# Altium PCB R3S601.PcbDoc
Units mil, origin at the board's own origin, x right, y up, seen from the top; angles counter-clockwise.
Board outline 3873.81 x 3873.81 mil, 2 copper layers (Top Layer, Bottom Layer); 56 components, 34 nets, 196 pads, 26 vias.
Unrouted connection lines stored in the file: 1.
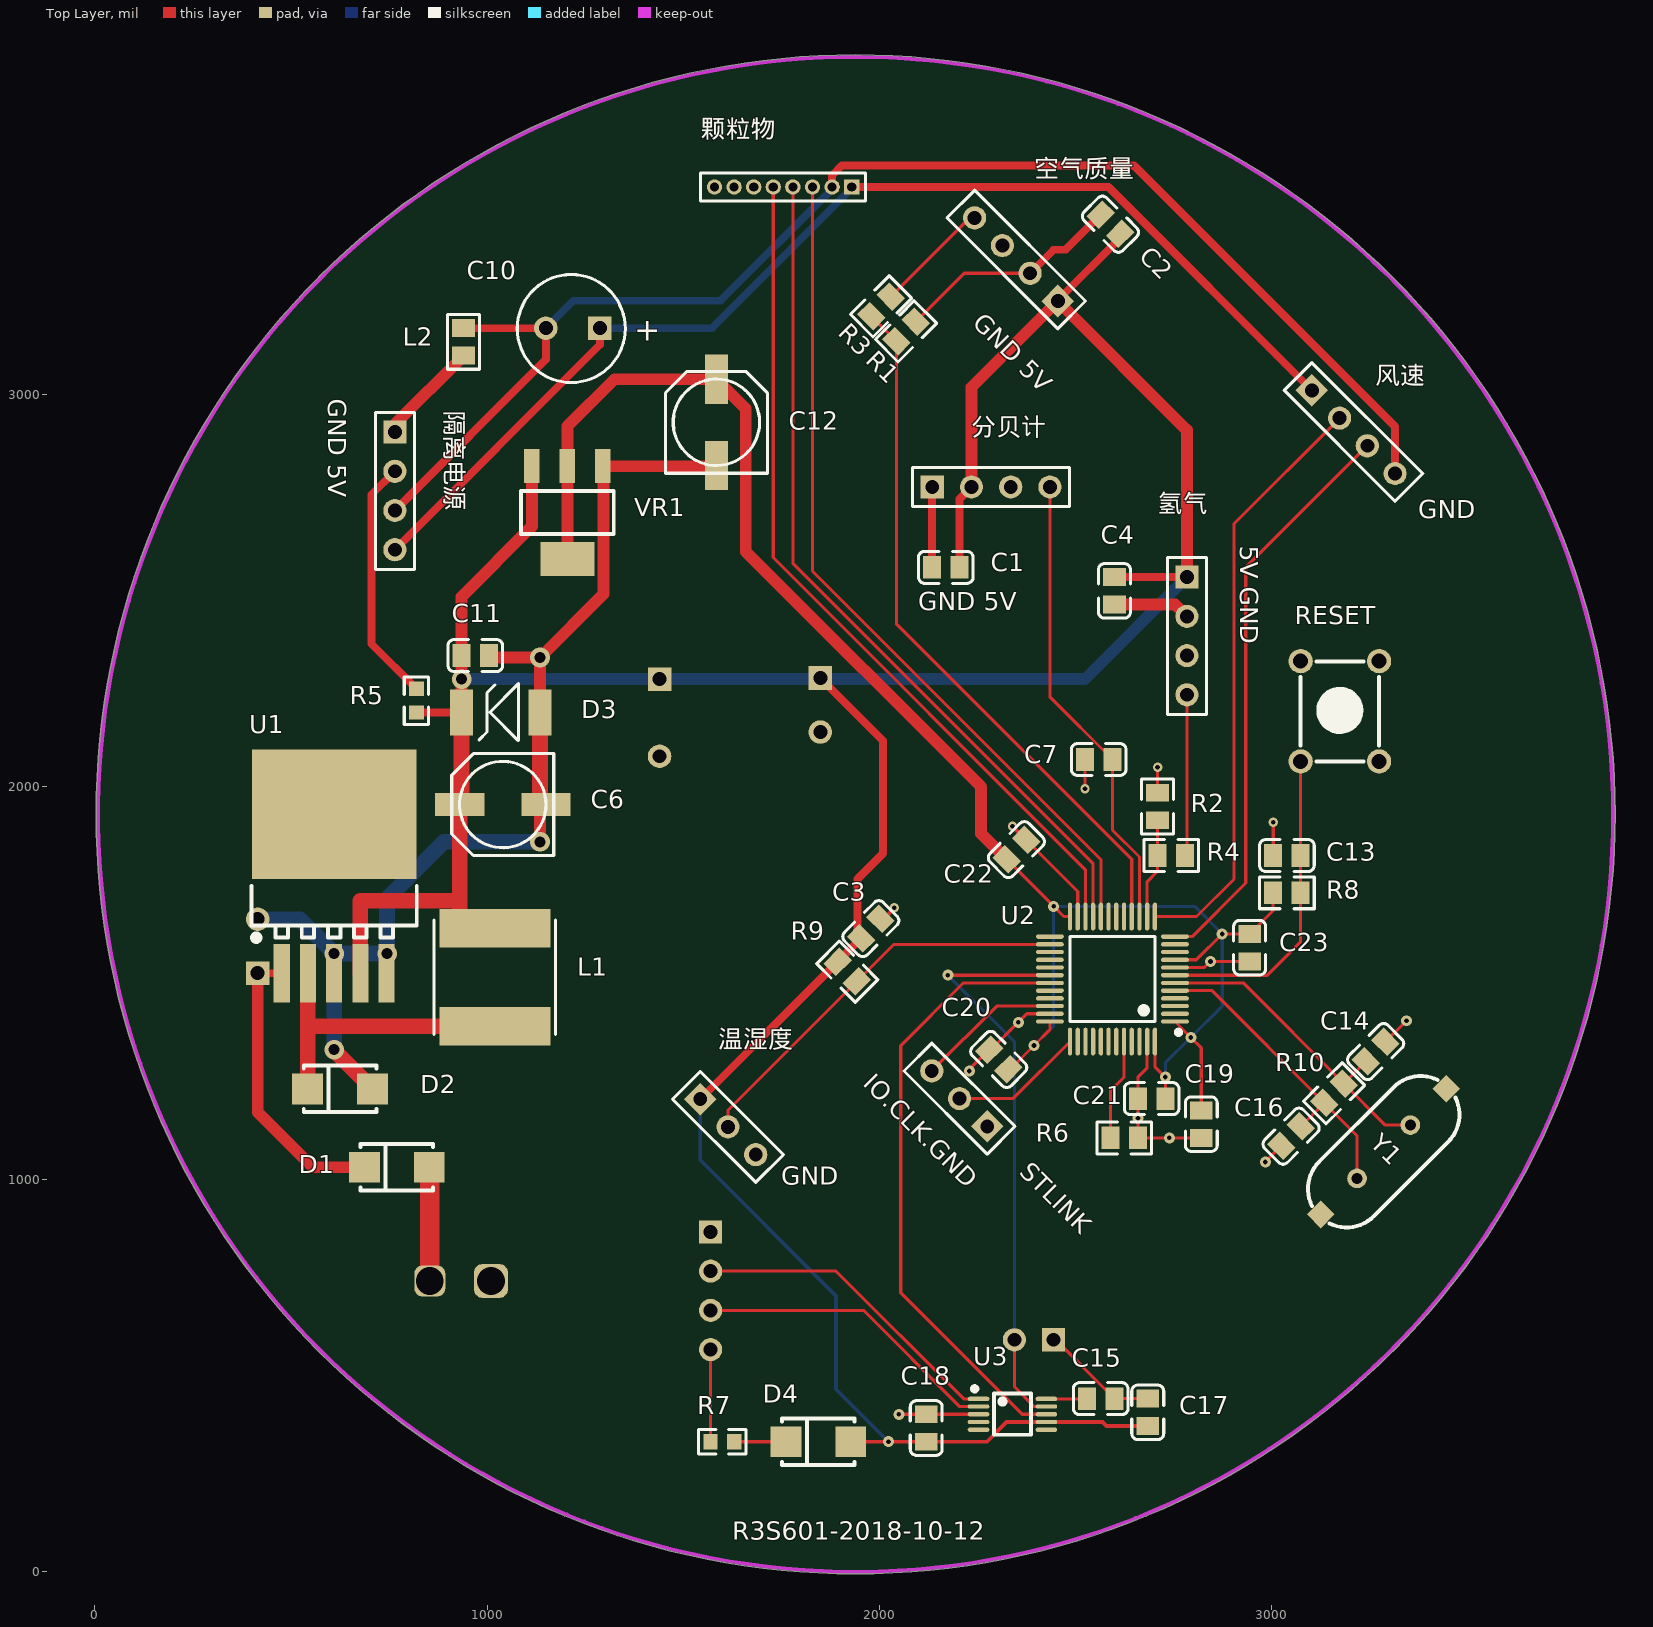
[diagram p0: Top Layer view]
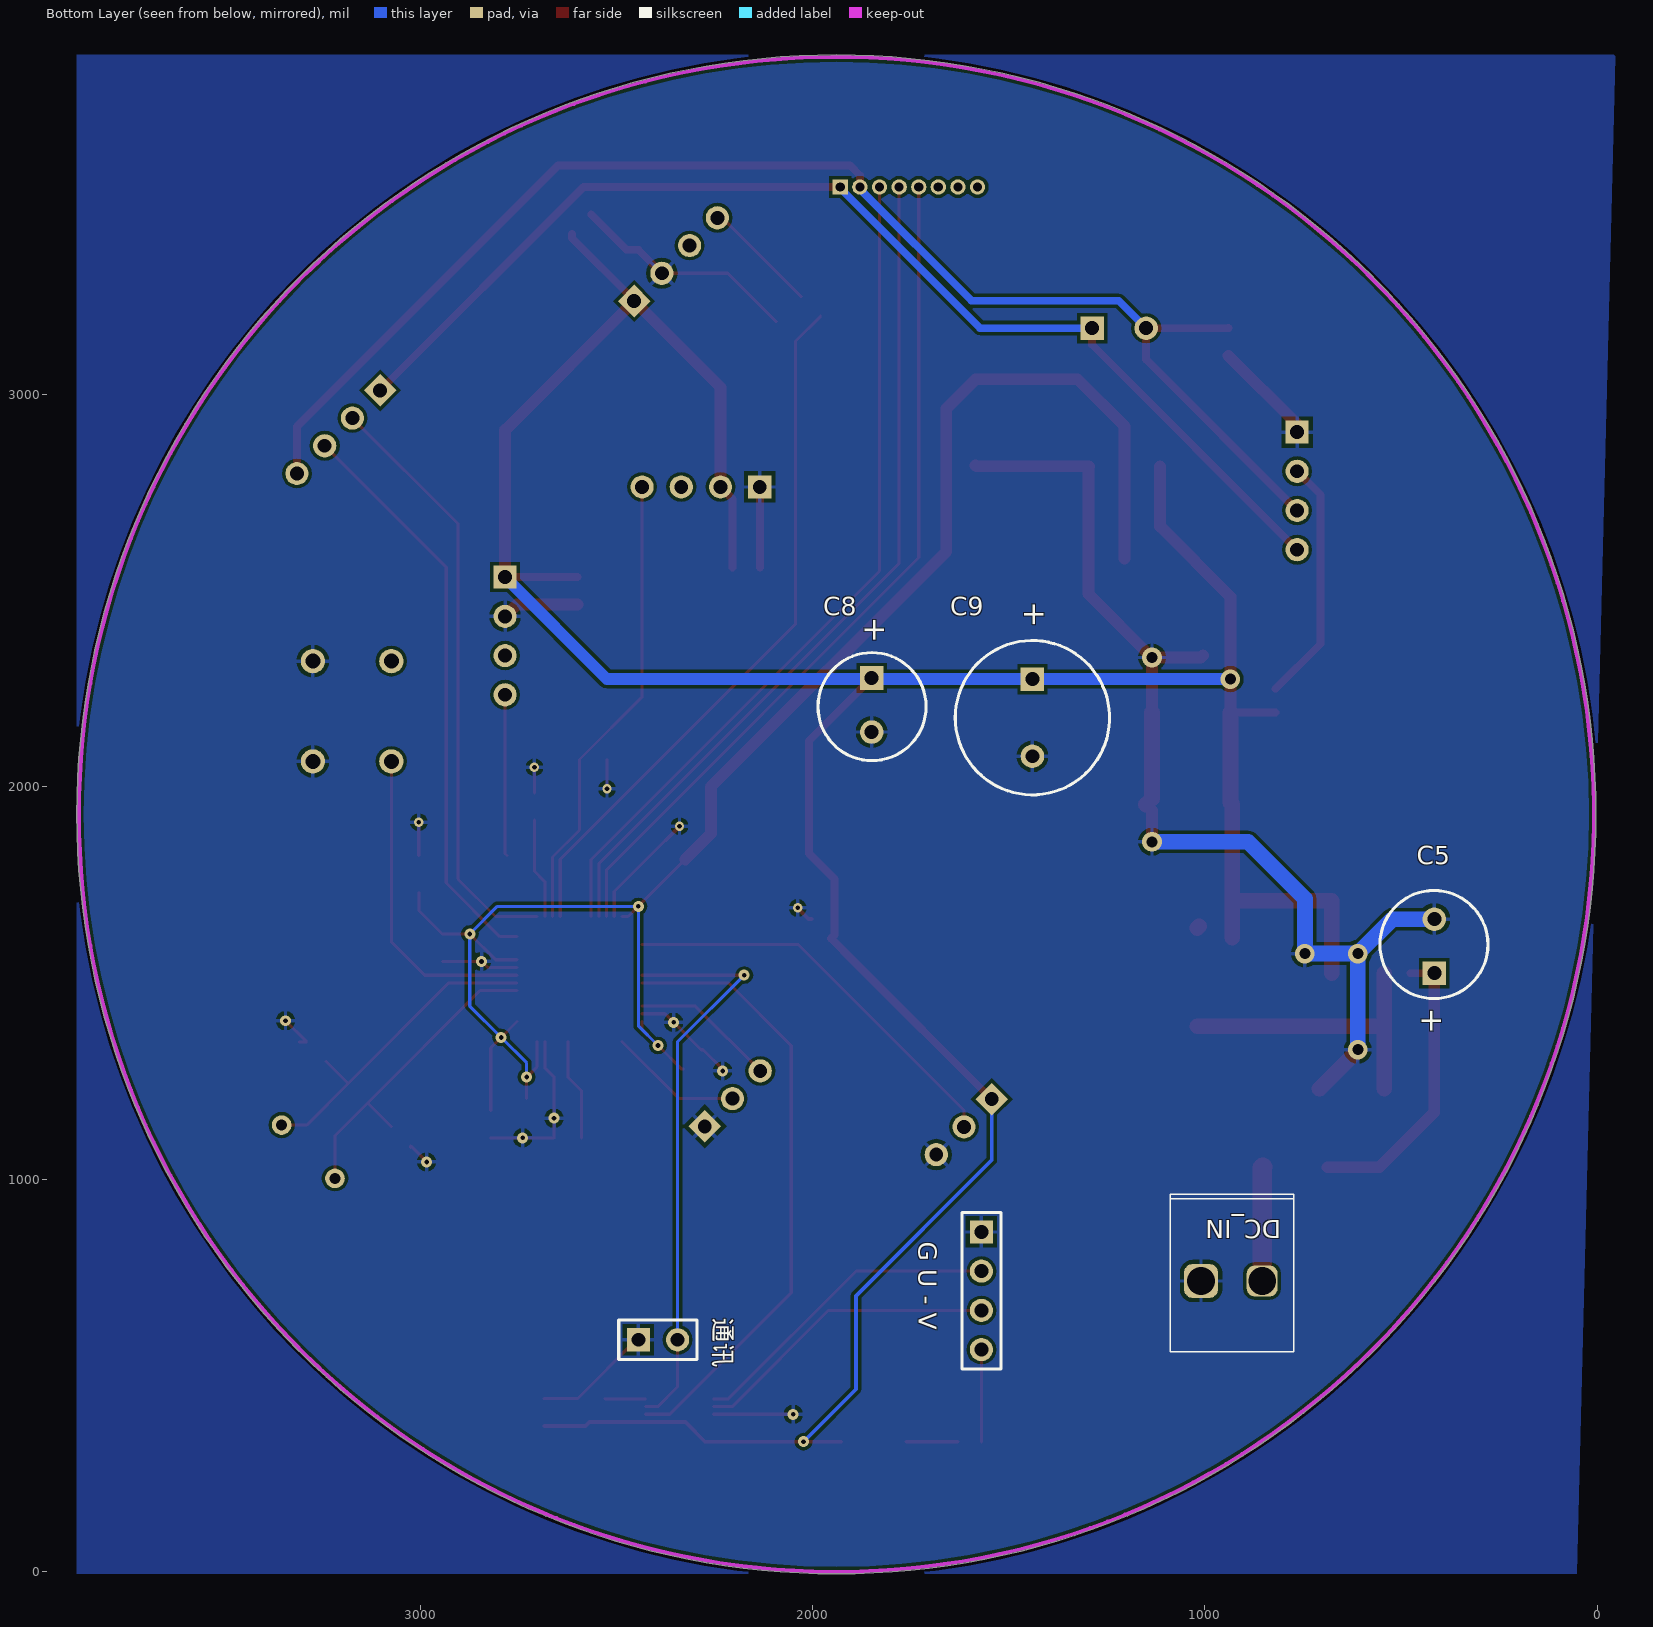
[diagram p1: Bottom Layer view, seen from below]
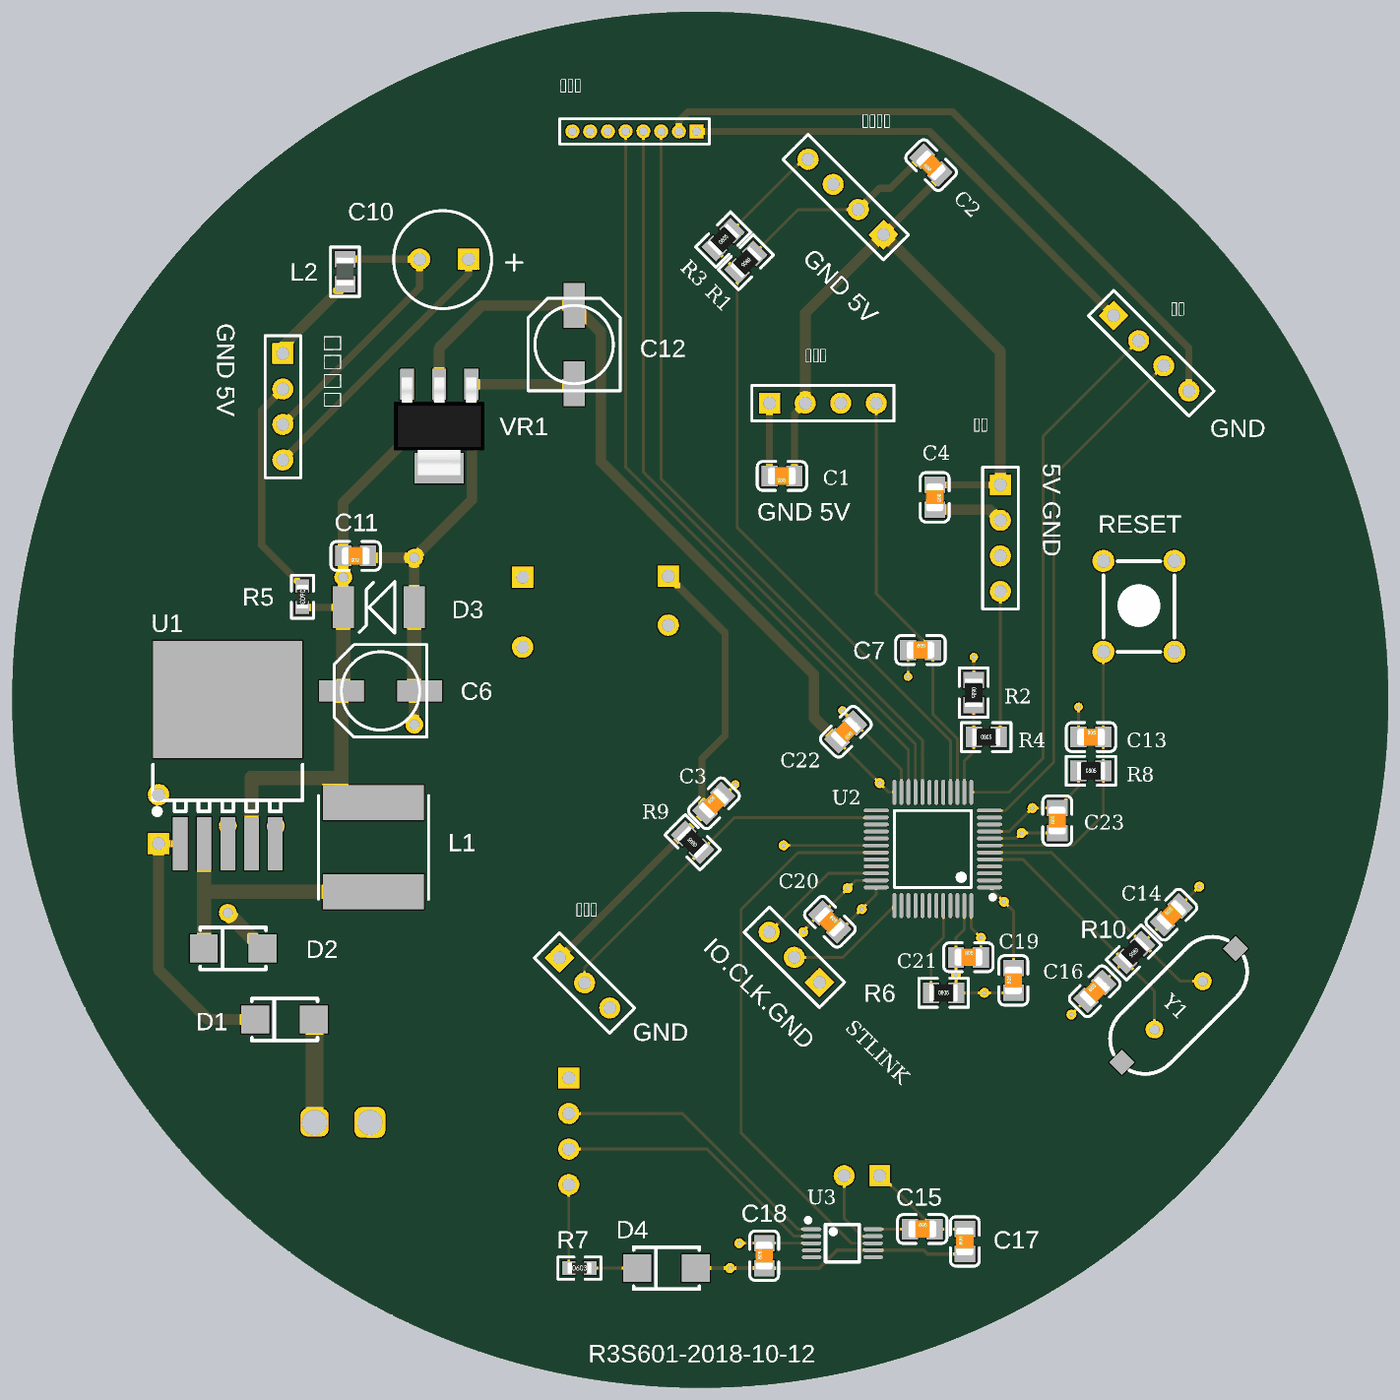
[diagram p2: 3D render of the assembled board from above, using the file's embedded part models]

## Layer stack, top to bottom
Top Solder: solder mask 0.4, Solder Resist, Dk 3.5
Top Layer: signal copper 1.4
Dielectric 1: dielectric 12.6, FR-4, Dk 4.8
Bottom Layer: signal copper 1.4
Bottom Solder: solder mask 0.4, Solder Resist, Dk 3.5

## Board outline
3.09,1930 ccw(c1940,1930) 1940,-6.91 ccw(c1940,1930) 3876.91,1930 ccw(c1940,1930) 1940,3866.91 ccw(c1940,1930)

## Design rules (kind name [scope] priority, off if disabled: settings)
Clearance [All] p1: gap=8 ignorepadtopadclearanceinfootprint=FALSE
PlaneConnect [All] p1: planeconnectstyle=Direct reliefexpansion=20 reliefentries=4 reliefconductorwidth=10 reliefairgap=10
PolygonConnect [All] p1: connectstyle=Relief reliefconductorwidth=10 reliefentries=4 polygonreliefangle="90 Angle" airgapwidth=10
RoutingVias [All] p1: holewidth=28 width=50 viastyle="Through Hole" minholewidth=28 minwidth=50 maxholewidth=28 maxwidth=50
SolderMaskExpansion [All] p1: expansion=4
Width [All] p1: maxlimit=50 minlimit=6 preferedwidth=8
29 further rules are at their usual default settings.

## Components (designator, comment, footprint, x,y, rotation, side; value= is the part's Value field where it differs from the comment)
C1 "100nF(104) 10% 50V" LC-0805_C 2170,2560 r180 top
C2 "100nF(104) 10% 50V" LC-0805_C 2589.78,3435 r135 top
C3 "100nF(104) 10% 50V" LC-0805_C 1978.66,1638.51 r45 top
C4 "100nF(104) 10% 50V" LC-0805_C 2600,2500 r270 top
C5 "Cap" CAP-DIP-3.5 415,1525 r270 bottom
C6 "220uF" CC6.56.5 1040,1955 r0 top
C7 "100nF(104) 10% 50V" LC-0805_C 2560,2070 r0 top
C8 "Cap" CAP-DIP-3.5 1850,2277.8 r90 bottom
C9 "Cap" CAP-DIP-5.0 1440,2275 r90 bottom
C10 "Cap" CAP-DIP-3.5 1287.8,3170 r0 top
C11 "10uF (106) 10% 25V" LC-0805_C 970,2335 r180 top
C12 "22uF" CC6.56.5 1585,2930 r270 top
C13 "100nF(104) 10% 50V" LC-0805_C 3039.96,1825 r0 top
C14 "22pF (220) 5% 50V" LC-0805_C 3266.26,1324.94 r45 top
C15 "100nF(104) 10% 50V" LC-0805_C 2565.04,440 r0 top
C16 "22pF (220) 5% 50V" LC-0805_C 3050.59,1109.27 r45 top
C17 "100nF(104) 10% 50V" LC-0805_C 2685.04,405 r90 top
C18 "10uF (106) 10% 25V" LC-0805_C 2120.04,365 r90 top
C19 "100nF(104) 10% 50V" LC-0805_C 2821.57,1140 r90 top
C20 "100nF(104) 10% 50V" LC-0805_C 2304.96,1305 r315 top
C21 "100nF(104) 10% 50V" LC-0805_C 2694.96,1205 r0 top
C22 "100nF(104) 10% 50V" LC-0805_C 2350,1840 r225 top
C23 "1uF (105) 10% 50V" LC-0805_C 2944.96,1590 r90 top
D1 "SS210" LC-SMA(DO-214AC)_S1 770,1030 r0 top
D2 "SS54" LC-SMA(DO-214AC)_S1 625,1230 r0 top
D3 "SMBJ5.0A" SMBJ 1040,2190 r180 top
D4 "SS210" LC-SMA(DO-214AC)_S1 1845.04,330 r0 top
DC_IN "Header 2" "VH-2A - Circle Hole" 1010,740 r180 bottom
"G U - V" "Header 4" HDR1X4 1570.04,865 r270 bottom
L1 "33uH" L_SOP74 1020,1640 r270 top
L2 "47uH ±10%" LC-0805_L 940,3135 r90 top
R1 "3.3KΩ (3301) ±1%" LC-0805_R 2068.57,3161.99 r225 top
R2 "3.3KΩ (3301) ±1%" LC-0805_R 2709.92,1950.04 r270 top
R3 "1.5KΩ (1501) ±1%" LC-0805_R 2004.93,3225.63 r45 top
R4 "1.5KΩ (1501) ±1%" LC-0805_R 2745,1825 r0 top
R5 "0Ω (0R0) ±1%" LC-0603_R 820,2220 r270 top
R6 "10KΩ (1002) ±1%" LC-0805_R 2624.96,1105 r0 top
R7 "1Ω (1R00) ±1%" LC-0603_R 1600.04,330 r0 top
R8 "10KΩ (1002) ±1%" LC-0805_R 3039.92,1730 r0 top
R9 "4.7KΩ (4701) ±1%" LC-0805_R 1918.58,1528.88 r135 top
R10 "10MΩ (1005) ±1%" LC-0805_R 3160.22,1218.85 r225 top
RESET "KEY_M" KEY_M 3074.96,2065 r90 top
STLINK "Header 3" HDR1X3 2275.67,1134.29 r135 top
U1 "LM2596SX-5.0/NOPB" LC-TO-263-5 610,1525 r270 top
U2 "STM32F103C8T6" LC-LQFP-48_7x7x05P 2594.96,1509.96 r90 top
U3 "CH340E" LC-MSOP-10 2340.04,400 r270 top
VR1 "AMS1117-3.3" LC-SOT-223 1205,2700 r90 top
Y1 "8MHz" XTAL_US 3354.65,1137.56 r225 top
分贝计 "Header 4" HDR1X4 2135.51,2765 r0 top
氢气 "Header 4" HDR1X4 2785,2535 r270 top
温湿度 "Header 3" HDR1X3 1543.79,1203.64 r315 top
空气质量 "Header 4" HDR1X4 2455.71,3239.29 r135 top
通讯 "Header 2" HDR1X2 2445.04,590 r180 bottom (schematic designator ͨѶ)
隔离电源 "Header 4" HDR1X4 765,2905 r270 top
颗粒物 "MHDR1X8" MHDR1X8 1930,3530 r180 top
风速 "Header 4" HDR1X4 3103.58,3011.42 r315 top

## Footprints (in the part's own frame and the unit in brackets; to place one, negate y for a bottom-side part, rotate by r counter-clockwise, add the part's x,y. Pads: shape width x height; smd on the part's side, far side on the other; paste and mask are expansions set on the pad)
CAP-DIP-3.5 [mil]
  rect 60x60 hole 35.43: 1(0,0)
  round 60 hole 35.43: 2(-137.8,0)
  silkscreen extent -211,-139 65,137
CAP-DIP-5.0 [mil]
  rect 60x60 hole 35.43: 1(0,0)
  round 60 hole 35.43: 2(-196.85,0)
  silkscreen extent -295,-197 98,197
CC6.56.5 [mm]
  rect 3.2x1.5 smd: 1(-2.794,0) 2(2.8,0)
  silkscreen extent -3.3,-3.3 3.3,3.3
HDR1X2 [mm] "Connector; Header; 2 Position"
  rect 1.5x1.5 hole 0.9: 1(0,0)
  round 1.5 hole 0.9: 2(2.54,0)
  silkscreen extent -1.27,-1.27 3.81,1.27
HDR1X3 [mm] "Connector; Header; 3 Position"
  rect 1.5x1.5 hole 0.9: 1(0,0)
  round 1.5 hole 0.9: 2(2.54,0) 3(5.08,0)
  silkscreen extent -1.27,-1.27 6.35,1.27
HDR1X4 [mm] "Connector; Header; 4 Position"
  rect 1.5x1.5 hole 0.9: 1(0,0)
  round 1.5 hole 0.9: 2(2.54,0) 3(5.08,0) 4(7.62,0)
  silkscreen extent -1.27,-1.27 8.89,1.27
KEY_M [mil]
  round 62 hole 38: 1(0,0) 1(255.91,0) 2(0,-200) 2(255.91,-200)
  silkscreen extent 0,-200 255,0
L_SOP74 [mm]
  rect 2.5x7.2 smd: 1(0,0) 2(6.35,0)
  silkscreen extent -0.51,-3.94 6.89,3.94
LC-0603_R [mm]
  rect 0.93x0.98 smd: 1(-0.77,0) 2(0.77,0)
  silkscreen extent -1.53,-0.79 1.54,0.79, body extent -0.85,-0.4 0.85,0.4, height 0.56
LC-0805_C [mm]
  rect 1.16x1.47 smd: 1(-0.89,0) 2(0.89,0)
  silkscreen extent -1.77,-1.04 1.77,1.04, body extent -1,-0.62 1,0.63, height 0.77
LC-0805_L [mm]
  rect 1.16x1.47 smd: 1(-0.89,0) 2(0.89,0)
  silkscreen extent -1.77,-1.04 1.77,1.03, body extent -1.02,-0.64 1.03,0.64, height 0.6
LC-0805_R [mm]
  rect 1.16x1.47 smd: 1(-0.89,0) 2(0.89,0)
  silkscreen extent -1.77,-1.04 1.77,1.03, body extent -1,-0.62 1,0.63, height 0.49
LC-LQFP-48_7x7x05P [mm]
  oval 0.28x1.8 smd mask+0.051: 1(-2.75,-4.05) 2(-2.25,-4.05) 3(-1.75,-4.05) 4(-1.25,-4.05) 5(-0.75,-4.05) 6(-0.25,-4.05) 7(0.25,-4.05) 8(0.75,-4.05) 9(1.25,-4.05) 10(1.75,-4.05) 11(2.25,-4.05) 12(2.75,-4.05) 25(2.75,4.05) 26(2.25,4.05) 27(1.75,4.05) 28(1.25,4.05) 29(0.75,4.05) 30(0.25,4.05) 31(-0.25,4.05) 32(-0.75,4.05) 33(-1.25,4.05) 34(-1.75,4.05) 35(-2.25,4.05) 36(-2.75,4.05)
  oval 1.8x0.28 smd mask+0.051: 13(4.05,-2.75) 14(4.05,-2.25) 15(4.05,-1.75) 16(4.05,-1.25) 17(4.05,-0.75) 18(4.05,-0.25) 19(4.05,0.25) 20(4.05,0.75) 21(4.05,1.25) 22(4.05,1.75) 23(4.05,2.25) 24(4.05,2.75) 37(-4.05,2.75) 38(-4.05,2.25) 39(-4.05,1.75) 40(-4.05,1.25) 41(-4.05,0.75) 42(-4.05,0.25) 43(-4.05,-0.25) 44(-4.05,-0.75) 45(-4.05,-1.25) 46(-4.05,-1.75) 47(-4.05,-2.25) 48(-4.05,-2.75)
  silkscreen extent -3.6,-4.43 2.75,2.75
LC-MSOP-10 [mm]
  oval 0.28x1.4 smd mask+0.051: 1(-1,-2.2) 2(-0.5,-2.2) 3(0,-2.2) 4(0.5,-2.2) 5(1,-2.2) 6(1,2.2) 7(0.5,2.2) 8(0,2.2) 9(-0.5,2.2) 10(-1,2.2)
  silkscreen extent -1.8,-2.6 1.33,1.2
LC-SMA(DO-214AC)_S1 [mm]
  rect 2x2 smd: 1(2.1,0) 2(-2.1,0)
  silkscreen extent -2.35,-1.5 2.35,1.5
LC-SOT-223 [mm]
  rect 2.2x1 smd: 1(3,-2.3) 2(3,0) 3(3,2.3)
  rect 2.2x3.5 smd: 2(-3,0)
  silkscreen extent -1.4,-3 1.4,3, body extent -3.49,-3.24 3.49,3.24, height 1.64
LC-TO-263-5 [mm]
  rect 8.4x10.65 smd: 0(-10.3,0)
  rect 3.8x1.05 smd: 1(0,-3.4) 2(0,-1.7) 3(0,0) 4(0,1.7) 5(0,3.4)
  silkscreen extent -5.65,-5.35 -2.1,5.35
MHDR1X8 [mm] "Connector; Header; 8 Position"
  rect 1x1 hole 0.6: 1(0,0)
  round 1 hole 0.6: 2(1.27,0) 3(2.54,0) 4(3.81,0) 5(5.08,0) 6(6.35,0) 7(7.62,0) 8(8.89,0)
  silkscreen extent -0.9,-0.9 9.79,0.9
SMBJ [mm]
  rect 1.5x3 smd: 1(-2.413,0) 2(2.667,0)
  silkscreen extent -1.02,-1.85 1.52,1.83
"VH-2A - Circle Hole" [mm] "Header 2 use for Power"
  rrect50% 2.2x2.2 hole 1.8: 1(0,0)
  rrect50% 2x2 hole 1.8: 2(3.96,0)
  silkscreen extent -1.98,-4.6 6.02,5.61
XTAL_US [mil]
  round 50 hole 28: 1(0,0) 2(192.13,0)
  rect 50x50 smd: ""(-130.32,0) ""(322.44,0)
  silkscreen extent -131,-98 323,98

## Part data
C1 C2 C3 C4 C7 C13 C15 C17 C19 C20 C21 C22: library part "0805 100nF(104) 10% 50V", "贴片电容", Package=0805, SuppliersPartNumber=C49678, ComponentLink1Description=供应, ComponentLink1URL=http://www.szlcsc.com/product/details_50686.html, Supplier=LC
C5 C8 C9 C10: library part Cap_DIP, "Cap_DIP"
C6 C12: library part CAP
C11 C18: library part "0805 10uF (106) 10% 25V", "贴片电容", Package=0805, SuppliersPartNumber=C15850, ComponentLink1Description=供应, ComponentLink1URL=http://www.szlcsc.com/product/details_16532.html, Supplier=LC
C14 C16: library part "0805 22pF (220) 5% 50V", "贴片电容", Package=0805, SuppliersPartNumber=C1804, ComponentLink1Description=供应, ComponentLink1URL=http://www.szlcsc.com/product/details_2156.html, Supplier=LC
C23: library part "0805 1uF (105) 10% 50V", "贴片电容", Package=0805, SuppliersPartNumber=C28323, ComponentLink1Description=供应, ComponentLink1URL=http://www.szlcsc.com/product/details_29074.html, Supplier=LC
D1 D4: library part "SMA(DO-214AC) SS210", "二极管", Package=SMA(DO-214AC), SuppliersPartNumber=C14996, ComponentLink1Description=供应, ComponentLink1URL=http://www.szlcsc.com/product/details_15669.html, Supplier=LC
D2: library part "SMA(DO-214AC) SS54", "二极管", Package=SMA(DO-214AC), SuppliersPartNumber=C22452, ComponentLink1Description=供应, ComponentLink1URL=http://www.szlcsc.com/product/details_23178.html, Supplier=LC
D3: library part SMBJ, "TVS"
DC_IN: "贴片2p座"
"G U - V" 分贝计 氢气 空气质量 隔离电源 风速: "Header, 4-Pin", LatestRevisionDate=17-Jul-2002, LatestRevisionNote="Re-released for DXP Platform.", Publisher="Altium Limited"
L1: library part L_SOP
L2: library part "0805 47uH 10%", "贴片电感", Package=0805, SuppliersPartNumber=C14304, ComponentLink1Description=供应, ComponentLink1URL=http://www.szlcsc.com/product/details_14964.html, Supplier=LC
R1 R2: library part "0805 3.3KΩ (3301) 1%", "贴片电阻", Package=0805, SuppliersPartNumber=C26010, ComponentLink1Description=供应, ComponentLink1URL=http://www.szlcsc.com/product/details_26753.html, Supplier=LC
R3 R4: library part "0805 1.5KΩ (1501) 1%", "贴片电阻", Package=0805, SuppliersPartNumber=C4310, ComponentLink1Description=供应, ComponentLink1URL=http://www.szlcsc.com/product/details_4717.html, Supplier=LC
R5: library part "0603 0Ω (0R0) 1%", "贴片电阻", Package=0603, SuppliersPartNumber=C21189, ComponentLink1Description=供应, ComponentLink1URL=http://www.szlcsc.com/product/details_21903.html, Supplier=LC
R6 R8: library part "0805 10KΩ (1002) 1%", "贴片电阻", Package=0805, SuppliersPartNumber=C17414, ComponentLink1Description=供应, ComponentLink1URL=http://www.szlcsc.com/product/details_18102.html, Supplier=LC
R7: library part "0603 1Ω (1R00) 1%", "贴片电阻", Package=0603, SuppliersPartNumber=C22936, ComponentLink1Description=供应, ComponentLink1URL=http://www.szlcsc.com/product/details_23663.html, Supplier=LC
R9: library part "0805 4.7KΩ (4701) 1%", "贴片电阻", Package=0805, SuppliersPartNumber=C17673, ComponentLink1Description=供应, ComponentLink1URL=http://www.szlcsc.com/product/details_18361.html, Supplier=LC
R10: library part "0805 10MΩ (1005) 1%", "贴片电阻", Package=0805, SuppliersPartNumber=C26108, ComponentLink1Description=供应, ComponentLink1URL=http://www.szlcsc.com/product/details_26851.html, Supplier=LC
STLINK 温湿度: "Header, 3-Pin", LatestRevisionDate=17-Jul-2002, LatestRevisionNote="Re-released for DXP Platform.", Publisher="Altium Limited"
U1: "DC-DCоƬ", Package=TO-263-5, SuppliersPartNumber=C10002, ComponentLink1Description=供应, ComponentLink1URL=http://www.szlcsc.com/product/details_10538.html, Supplier=LC
U2: "ARM", Package=LQFP-48_7x7x05P, SuppliersPartNumber=C8734, ComponentLink1Description=供应, ComponentLink1URL=http://www.szlcsc.com/product/details_9243.html, Supplier=LC
U3: "USB", Package=SOIC-16_150mil, SuppliersPartNumber=C14267, ComponentLink1Description=供应, ComponentLink1URL=http://www.szlcsc.com/product/details_14927.html, Supplier=LC
VR1: library part "SOT-223 AMS1117-3.3", "低压差线性稳压(LDO)", Package=SOT-223, SuppliersPartNumber=C6186, ComponentLink1Description=供应, ComponentLink1URL=http://www.szlcsc.com/product/details_6652.html, Supplier=LC
Y1: library part XTAL, "Crystal Oscillator", LatestRevisionDate=17-Jul-2002, LatestRevisionNote="Re-released for DXP Platform.", Published=8-Jun-2000, Publisher="Altium Limited"
通讯: "Header, 2-Pin", LatestRevisionDate=17-Jul-2002, LatestRevisionNote="Re-released for DXP Platform.", Publisher="Altium Limited"
颗粒物: "Header, 8-Pin", LatestRevisionDate=17-Jul-2002, LatestRevisionNote="Re-released for DXP Platform.", Publisher="Altium Limited"

## Via types
v1: diameter 28, hole 12, Top Layer to Bottom Layer, 15 vias
v2: diameter 50, hole 28, Top Layer to Bottom Layer, 6 vias
v3: diameter 24, hole 12, Top Layer to Bottom Layer, 5 vias

## Nets (pads, with @x,y where several pads share a name; then routed paths per layer and width w, separated by ;. In a path a pad name is that pad's centre, name@x,y a point inside that pad or via, vN(x,y) a via of type N, cw(c..) or ccw(c..) an arc to the next point about the centre after c; other vN are vias at no path point)
5V_GL: C10.1 隔离电源.4 颗粒物.1 风速.1 | length 2963.2
  Top Layer w20: 隔离电源.4 1287.8,3127.8 C10.1 ; 颗粒物.1 2585,3530 风速.1
  Bottom Layer w20: C10.1 1573.29,3170 1930,3526.71 颗粒物.1
+3.3: C12.1 C19.2 C20.2 C21.2 C22.2 C23.2 R8.1 U2.1 U2.9 U2.24 U2.36 U2.48 VR1.2 | length 4707.9
  Top Layer w8: C22.2 v1(2445,1695.45) 2471.04,1669.41 U2.24 ; C20.2 2334.74,1280.22 v1(2395,1340.49) 2435.51,1381 U2.36 ; U2.48 2703.23,1286.77 v1(2730,1260) C21.2 ; U2.1 v1(2795,1361.1) 2821.57,1334.53 C19.2 ; U2.9 2809.13,1559.17 v1(2875,1625.04) C23.2 3004.88,1684.96 R8.1
  Top Layer w30: VR1.2@1205,2581.89 1205,2818.11 1205,2920 1325,3040 C12.1 1660,2965 1660,2600 2260,2000 2260,1880.45 C22.2
  Bottom Layer w8: v1(2395,1340.49) 2445,1390.49 v1(2445,1695.45) 2804.59,1695.45 v1(2875,1625.04) 2875,1441.1 v1(2795,1361.1) 2730,1296.1 v1(2730,1260)
+5: C1.1 C2.1 C3.1 C4.1 C6.1 C8.1 C9.1 C11.2 C17.1 C18.1 D3.2 D4.1 L1.1 R5.2 R9.2 U1.4 U3.7 VR1.3 分贝计.2 氢气.1 温湿度.1 空气质量.1 | length 9041
  Top Layer w10: D4.1 v1(2023.9,330) C18.1 C18.1 2274.96,329.96 2325.31,380.31 U3.7 2569.65,380.31 2580,369.96 C17.1
  Top Layer w20: R5.2 D3.2@934.68,2189.68 ; 温湿度.1 R9.2 C3.1 1945,1622.61 1945,1765 2010,1830 2010,2117.8 C8.1 ; C1.1 2205.04,2734.53 分贝计.2 ; 空气质量.1 2455.71,3241.16 2614.55,3400 C2.1 ; C4.1 氢气.1 氢气.1
  Top Layer w30: D3.2 v2(935,2275) 935,2485 1114.45,2664.45 VR1.3 ; 分贝计.2 2235.51,3019.09 空气质量.1 2785,2910 氢气.1
  Top Layer w40: U1.4 676.93,1710 925,1710 930,1715 ; L1.1@930,1615 930,1715 ; D3.2@934.68,2189.68 D3.2 935,1960 C6.1 930,1715 ; L1.1@1015,1645 L1.1
  Bottom Layer w10: 温湿度.1 1543.79,1048.41 1890,702.19 1890,463.9 v1(2023.9,330)
  Bottom Layer w30: v2(935,2275) C9.1 2525,2275 氢气.1
ADC_IN4: R2.2 R4.1 U2.14 | length 256.5
  Top Layer w8: U2.14 2683.54,1758.62 2709.92,1785 R2.2
ADC_IN5: C7.2 U2.15 分贝计.4 | length 1190.2
  Top Layer w8: 分贝计.4 2435.51,2229.53 C7.2 2595.04,1889.96 2663.86,1821.14 U2.15
ADC_IN6: R1.2 R3.1 U2.16 | length 1806.5
  Top Layer w8: R3.1 R1.2 2043.79,2415.95 2644.17,1815.56 U2.16
ADC_IN7: U2.17
GND: "G U - V.1" C1.2 C2.2 C3.2 C4.2 C5.2 C6.2 C7.1 C8.2 C9.2 C11.1 C12.2 C13.1 C14.2 C15.2 C16.1 C17.2 C18.2 C19.1 C20.1 C21.1 C22.1 C23.1 D2.1 D3.1 DC_IN.1 L2.1 R1.1 R2.1 R6.2 RESET.2 STLINK.1 U1.3 U1.5 U2.8 U2.23 U2.35 U2.47 U3.3 VR1.1 分贝计.1 氢气.2 温湿度.3 空气质量.2 通讯.1 隔离电源.1 | length 6174.4
  Top Layer w8: v1(2050.04,400) C18.2 C18.2 2120.08,400 U3.3 ; R1.1 2216.57,3310 空气质量.2 ; v1(2230,1275.71) 2230,1279.59 C20.1 2285.18,1329.78 v1(2355,1399.59) 2376.79,1421.38 U2.35 ; C22.1 2506.38,1733.18 U2.23 ; 通讯.1 2450.08,590 C15.2 C17.2 C17.2 ; v3(2524.96,1995) C7.1 ; U2.47 2683.54,1283.54 2659.92,1259.92 C21.1 v1(2659.92,1155.04) 2659.92,1105.08 R6.2 v1(2739.96,1105) 2821.54,1105 C19.1 ; v3(2710.04,2050) R2.1@2710.04,1985.2 ; U2.8 2829.49,1539.49 v1(2844.96,1554.96) C23.1 ; v1(2985,1043.68) C16.1 C16.1@3025.82,1080.82 ; C13.1 3004.96,1825.04 v3(3004.96,1910) ; C14.2@3309.72,1349.72 C14.2 v1(3345,1403.68) v1@3345,1405 ; R2.1@2710.04,1985.2 2710.04,1985.04 2710,1985 R2.1 R2.1@2710.04,1985.2
  Top Layer w10: C3.2 2010.56,1663.29 v3(2038.79,1691.52) ; v3@2340,1899.55 C22.1
  Top Layer w20: C1.2 2134.96,2764.45 分贝计.1 ; v3@2340,1899.55 v3(2340,1900) ; 空气质量.2 2445,3370 2475.22,3370 C2.2
  Top Layer w30: v2@610,1327.68 v2(610,1330) ; 隔离电源.1 765,2924.96 L2.1 ; C11.1 1010.04,2330 v2(1135,2330) ; v2(1135,1860) 1135,1939.76 C6.2 ; D3.1 v2(1135,2330) ; C12.2 1583.35,2818.11 VR1.1 1296.9,2816.76 1296.9,2491.9 v2(1135,2330) ; C4.2 2755.04,2464.96 氢气.2
  Top Layer w40: v2@610,1327.68 D2.1 ; D3.1 1135,1970.24 C6.2
  Bottom Layer w40: C5.2 522.2,1662.8 v2(610,1575) ; v2(610,1330) v2(610,1575) ; v2(1135,1860) 890,1860 745,1715 v2(745,1575) v2(610,1575)
GND_GL: C10.2 L2.2 隔离电源.3 颗粒物.2 风速.4 | length 3583.3
  Top Layer w20: 隔离电源.3 1150,3090 C10.2 L2.2 L2.2 ; 颗粒物.2 1880,3560 1905,3585 2650,3585 3315.71,2919.29 风速.4
  Bottom Layer w20: C10.2 1220,3240 1595,3240 颗粒物.2@1880,3525
NetC5_1: C5.1 D1.2 U1.1 | length 746.5
  Top Layer w20: C5.1 U1.1
  Top Layer w30: C5.1 415,1170 555,1030 D1.2
NetC13_2: C13.2 R8.2 RESET.1 U2.7 | length 815.8
  Top Layer w8: U2.7 2989.76,1519.8 3074.96,1605 R8.2 RESET.1@3074.96,2065
NetC14_1: C14.1 R10.1 U2.6 Y1.1 | length 830.4
  Top Layer w8: U2.6 2928.5,1500.12 R10.1 ; C14.1 3241.48,1300.11 R10.1 ; Y1.1 3291.07,1137.56 R10.1
NetC15_1: C15.1 U3.10 | length 103.6
  Top Layer w8: U3.10 2529.37,439.37 C15.1
NetC16_2: C16.2 R10.2 U2.5 Y1.2 | length 811.5
  Top Layer w8: U2.5 2849.08,1480.43 R10.2 ; C16.2 C16.2 R10.2 ; Y1.2 3218.8,1110.72 R10.2
NetD1_1: D1.1 DC_IN.2 | length 290.6
  Top Layer w50: D1.1 854.09,1028.58 DC_IN.2
NetD2_2: D2.2 L1.2 U1.2 | length 772.2
  Top Layer w40: D2.2 543.07,1230.75 543.07,1390 ; U1.2 543.07,1390 ; L1.2 543.07,1390
NetD4_2: D4.2 R7.2 | length 132
  Top Layer w8: R7.2 D4.2
"NetG U - V_2": "G U - V.2" U3.1 | length 818.3
  Top Layer w8: 1570.04,765 1890.04,765 2215.67,439.37 U3.1
"NetG U - V_3": "G U - V.3" U3.2 | length 785
  Top Layer w8: 1570.04,665 1960.04,665 2205.35,419.69 U3.2
"NetG U - V_4": "G U - V.4" R7.1 | length 235.1
  Top Layer w8: R7.1 1570.04,330.31 1570.04,565
NetR3_2: R3.2 空气质量.4 | length 297.1
  Top Layer w8: R3.2 2230.71,3451.42 空气质量.4
NetR4_2: R4.2 氢气.4 | length 412.1
  Top Layer w8: R4.2 2785,1829.96 氢气.4
NetR5_1: R5.1 隔离电源.2 | length 627.2
  Top Layer w20: 隔离电源.2 705,2745 705,2365.31 R5.1
NetR6_1: R6.1 U2.44 | length 259.8
  Top Layer w8: R6.1 2589.92,1225 2624.49,1259.57 U2.44
NetU2_20: U2.20 颗粒物.3 | length 2165.2
  Top Layer w8: 颗粒物.3 1830,2550.51 2565.43,1815.08 U2.20
SWCLK: STLINK.2 U2.37 | length 342
  Top Layer w8: STLINK.2 2341.18,1205 U2.37
SWDIO: STLINK.3 U2.34 | length 369.8
  Top Layer w8: STLINK.3 2299.6,1441.06 U2.34
Tem: R9.1 U2.26 温湿度.2 | length 1038.7
  Top Layer w8: 温湿度.2 1614.5,1175.24 R9.1 2037.8,1598.54 U2.26
U_RX: U2.31 U3.8 | length 1576.9
  Top Layer w8: U3.8 2365.04,400 2055,710.04 2055,1340 2215.12,1500.12 U2.31
U_TX: U2.30 U3.9 通讯.2 | length 1483.5
  Top Layer w8: v1(2175,1520) 2175.2,1519.8 U2.30 ; 通讯.2 2345.04,469.96 2395.32,419.68 U3.9
  Bottom Layer w8: v1(2175,1520) 2345.04,1349.96 2345.04,1120 通讯.2
USART2_RX: U2.13 风速.2 | length 1528.6
  Top Layer w8: U2.13 2809.41,1669.41 2905,1765 2905,2671.42 风速.2
USART2_TX: U2.12 风速.3 | length 1480.6
  Top Layer w8: U2.12 2798.23,1618.23 2935,1755 2935,2560 风速.3
USART3_RX: U2.22 颗粒物.5 | length 2190.3
  Top Layer w8: 颗粒物.5 1730,2585 2526.06,1788.94 U2.22
USART3_TX: U2.21 颗粒物.4 | length 2177.8
  Top Layer w8: 颗粒物.4 1780,2570 2545.75,1804.25 U2.21
pads on no net: U1.0 U2.2 U2.3 U2.4 U2.10 U2.11 U2.18 U2.19 U2.25 U2.27 U2.28 U2.29 U2.32 U2.33 U2.38 U2.39 U2.40 U2.41 U2.42 U2.43 U2.45 U2.46 U3.4 U3.5 U3.6 Y1. 分贝计.3 氢气.3 空气质量.3 颗粒物.6 颗粒物.7 颗粒物.8

## Polygon pours and split planes (outlines as drawn)
GND on Bottom Layer "Bottom Layer-GND" (solid, pour order 6): -46.09,3866.91 3876.91,3866.91 3876.91,-6.91 52.28,-6.91
no net on Bottom Layer "Bottom Layer-No Net 1" (solid, pour order 4): -70,3800
no net on Bottom Layer "Bottom Layer-No Net" (solid, pour order 2): 3785,3574.92

## Keep-outs
Keep-Out Layer:
  circle w10: c1940,1930 r1931.89

## Silkscreen, mask and mechanical layers (free items; w line width, h text height)
Top Overlay:
  text "GND 5V" at 2225,3170.04 h80 r315
  text "GND 5V" at 580,2990 h80 r270
  text "GND" at 3375,2670 h80
  text "5V GND" at 2905,2615 h80 r270
  text "GND 5V" at 2100,2435 h80
  text "IO.CLK.GND" at 1944.96,1230 h80 r315
  text "GND" at 1750,970 h80
  text "R3S601-2018-10-12" at 1625,65 h80

## Text inside footprints (layer, text, board x,y; h text height)
C5: Bottom Overlay "+" at 447,1437 h59.06 r90
C8: Bottom Overlay "+" at 1818,2365.8 h59.06 r270
C9: Bottom Overlay "+" at 1411,2406 h59.06 r270
C10: Top Overlay "+" at 1375.8,3138 h59.06